# KiCad board protoboard-6x4-breakout.kicad_pcb (continued)
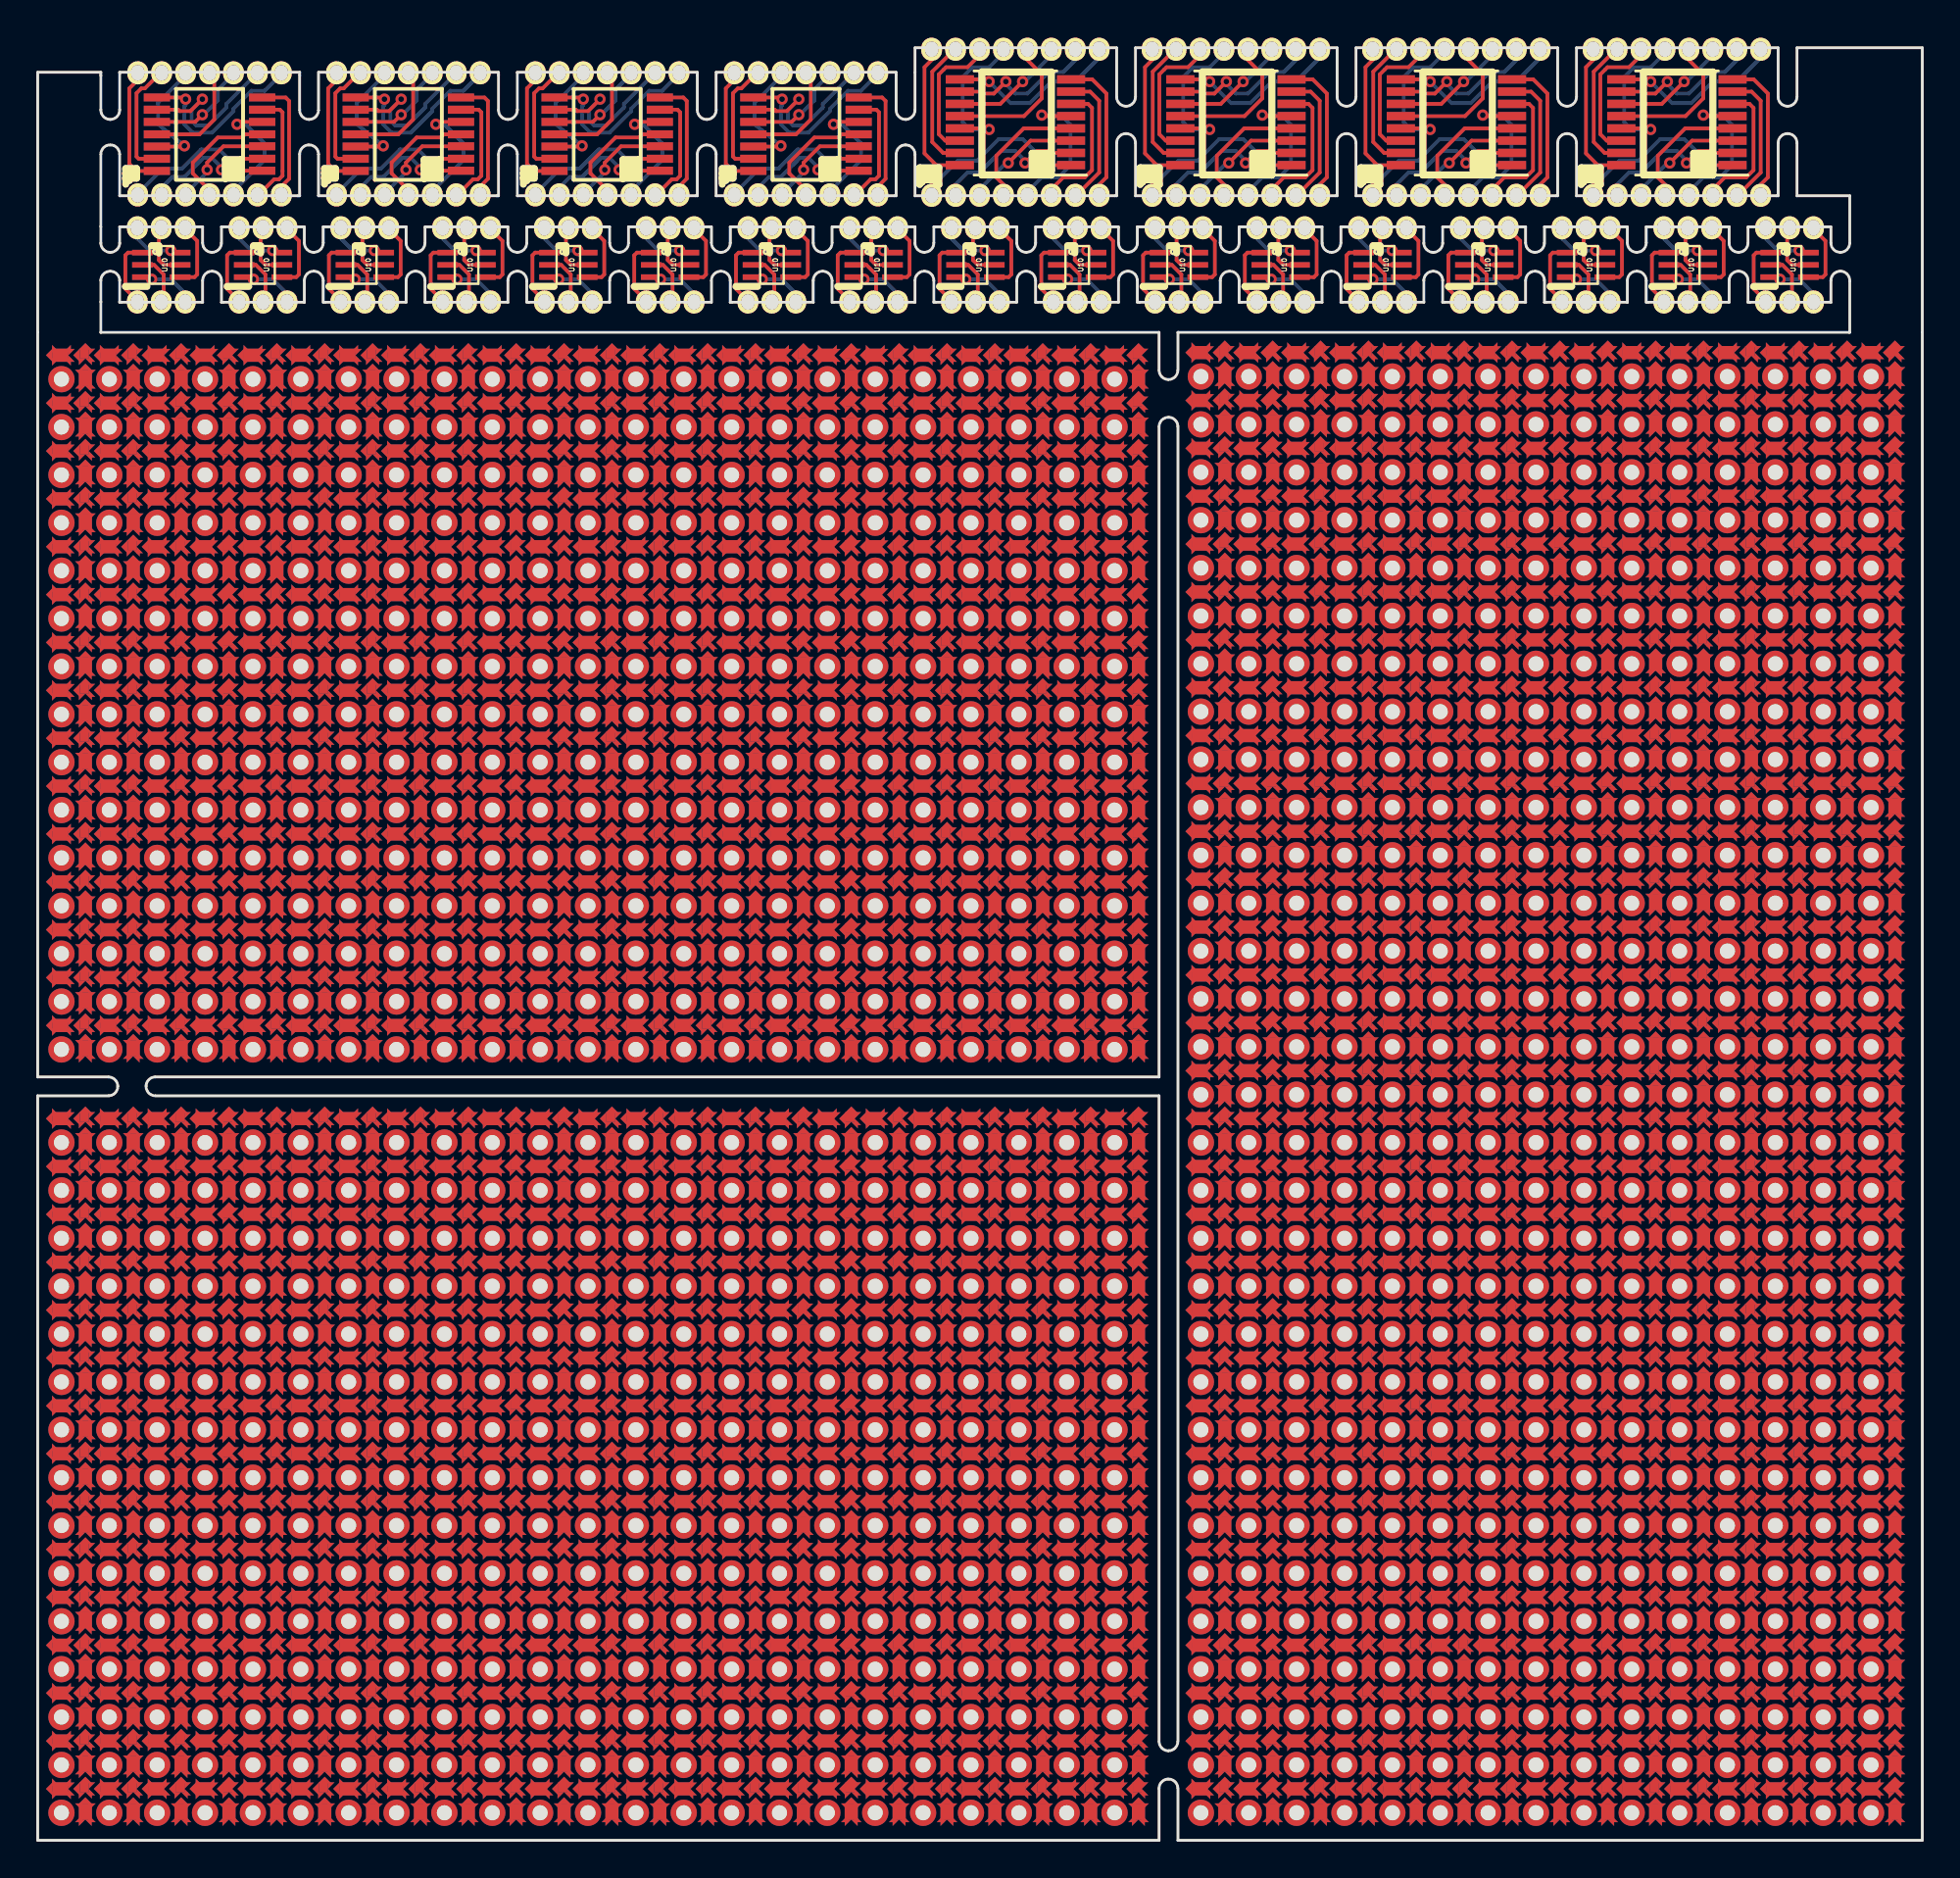
[diagram p0: board, top side]
1; REF**#1508 1; REF**#1509 1; REF**#1510 1; REF**#1511 1; REF**#1512 1; REF**#1513 1; REF**#1514 1; REF**#1515 1; REF**#1516 1; REF**#1517 1; REF**#1518 1; REF**#1519 1; REF**#1520 1; REF**#1521 1; REF**#1522 1; REF**#1523 1; REF**#1524 1; REF**#1525 1; REF**#1526 1; REF**#1527 1; REF**#1528 1; REF**#1529 1; REF**#1530 1; REF**#1531 1; REF**#1532 1; REF**#1533 1; REF**#1534 1; REF**#1535 1; REF**#1536 1; REF**#1537 1; REF**#1538 1; REF**#1539 1; REF**#1540 1; REF**#1541 1; REF**#1542 1; REF**#1543 1; REF**#1544 1; REF**#1545 1; REF**#1546 1; REF**#1547 1; REF**#1548 1; REF**#1549 1; REF**#1550 1; REF**#1551 1; REF**#1552 1; REF**#1553 1; REF**#1554 1; REF**#1555 1; REF**#1556 1; REF**#1557 1; REF**#1558 1; REF**#1559 1; REF**#1560 1; REF**#1561 1; REF**#1562 1; REF**#1563 1; REF**#1564 1; REF**#1565 1; REF**#1566 1; REF**#1567 1; REF**#1568 1; REF**#1569 1; REF**#1570 1; REF**#1571 1; REF**#1572 1; REF**#1573 1; REF**#1574 1; REF**#1575 1; REF**#1576 1; REF**#1577 1; REF**#1578 1; REF**#1579 1; REF**#1580 1; REF**#1581 1; REF**#1582 1; REF**#1583 1; REF**#1584 1; REF**#1585 1; REF**#1586 1; REF**#1587 1; REF**#1588 1; REF**#1589 1; REF**#1590 1; REF**#1591 1; REF**#1592 1; REF**#1593 1; REF**#1594 1; REF**#1595 1; REF**#1596 1; REF**#1597 1; REF**#1598 1; REF**#1599 1; REF**#1600 1; REF**#1601 1; REF**#1602 1; REF**#1603 1; REF**#1604 1; REF**#1605 1; REF**#1606 1; REF**#1607 1; REF**#1608 1; REF**#1609 1; REF**#1610 1; REF**#1611 1; REF**#1612 1; REF**#1613 1; REF**#1614 1; REF**#1615 1; REF**#1616 1; REF**#1617 1; REF**#1618 1; REF**#1619 1; REF**#1620 1; REF**#1621 1; REF**#1622 1; REF**#1623 1; REF**#1624 1; REF**#1625 1; REF**#1626 1; REF**#1627 1; REF**#1628 1; REF**#1629 1; REF**#1630 1; REF**#1631 1; REF**#1632 1; REF**#1633 1; REF**#1634 1; REF**#1635 1; REF**#1636 1; REF**#1637 1; REF**#1638 1; REF**#1639 1; REF**#1640 1; REF**#1641 1; REF**#1642 1; REF**#1643 1; REF**#1644 1; REF**#1645 1; REF**#1646 1; REF**#1647 1; REF**#1648 1; REF**#1649 1; REF**#1650 1; REF**#1651 1; REF**#1652 1; REF**#1653 1; REF**#1654 1; REF**#1655 1; REF**#1656 1; REF**#1657 1; REF**#1658 1; REF**#1659 1; REF**#1660 1; REF**#1661 1; REF**#1662 1; REF**#1663 1; REF**#1664 1; REF**#1665 1; REF**#1666 1; REF**#1667 1; REF**#1668 1; REF**#1669 1; REF**#1670 1; REF**#1671 1; REF**#1672 1; REF**#1673 1; REF**#1674 1; REF**#1675 1; REF**#1676 1; REF**#1677 1; REF**#1678 1; REF**#1679 1; REF**#1680 1; REF**#1681 1; REF**#1682 1; REF**#1683 1; REF**#1684 1; REF**#1685 1; REF**#1686 1; REF**#1687 1; REF**#1688 1; REF**#1689 1; REF**#1690 1; REF**#1691 1; REF**#1692 1; REF**#1693 1; REF**#1694 1; REF**#1695 1; REF**#1696 1; REF**#1697 1; REF**#1698 1; REF**#1699 1; REF**#1700 1; REF**#1701 1; REF**#1702 1; REF**#1703 1; REF**#1704 1; REF**#1705 1; REF**#1706 1; REF**#1707 1; REF**#1708 1; REF**#1709 1; REF**#1710 1; REF**#1711 1; REF**#1712 1; REF**#1713 1; REF**#1714 1; REF**#1715 1; REF**#1716 1; REF**#1717 1; REF**#1718 1; REF**#1719 1; REF**#1720 1; REF**#1721 1; REF**#1722 1; REF**#1723 1; REF**#1724 1; REF**#1725 1; REF**#1726 1; REF**#1727 1; REF**#1728 1; REF**#1729 1; REF**#1730 1; REF**#1731 1; REF**#1732 1; REF**#1733 1; REF**#1734 1; REF**#1735 1; REF**#1736 1; REF**#1737 1; REF**#1738 1; REF**#1739 1; REF**#1740 1; REF**#1741 1; REF**#1742 1; REF**#1743 1; REF**#1744 1; REF**#1745 1; REF**#1746 1; REF**#1747 1; REF**#1748 1; REF**#1749 1; REF**#1750 1; REF**#1751 1; REF**#1752 1; REF**#1753 1; REF**#1754 1; REF**#1755 1; REF**#1756 1; REF**#1757 1; REF**#1758 1; REF**#1759 1; REF**#1760 1; REF**#1761 1; REF**#1762 1; REF**#1763 1; REF**#1764 1; REF**#1765 1; REF**#1766 1; REF**#1767 1; REF**#1768 1; REF**#1769 1; REF**#1770 1; REF**#1771 1; REF**#1772 1; REF**#1773 1; REF**#1774 1; REF**#1775 1; REF**#1776 1; REF**#1777 1; REF**#1778 1; REF**#1779 1; REF**#1780 1; REF**#1781 1; REF**#1782 1; REF**#1783 1; REF**#1784 1; REF**#1785 1; REF**#1786 1; REF**#1787 1; REF**#1788 1; REF**#1789 1; REF**#1790 1; REF**#1791 1; REF**#1792 1; REF**#1793 1; REF**#1794 1; REF**#1795 1; REF**#1796 1; REF**#1797 1; REF**#1798 1; REF**#1799 1; REF**#1800 1; REF**#1801 1; REF**#1802 1; REF**#1803 1; REF**#1804 1; REF**#1805 1; REF**#1806 1; REF**#1807 1; REF**#1808 1; REF**#1809 1; REF**#1810 1; REF**#1811 1; REF**#1812 1; REF**#1813 1; REF**#1814 1; REF**#1815 1; REF**#1816 1; REF**#1817 1; REF**#1818 1; REF**#1819 1; REF**#1820 1; REF**#1821 1; REF**#1822 1; REF**#1823 1; REF**#1824 1; REF**#1825 1; REF**#1826 1; REF**#1827 1; REF**#1828 1; REF**#1829 1; REF**#1830 1; REF**#1831 1; REF**#1832 1; REF**#1833 1; REF**#1834 1; REF**#1835 1; REF**#1836 1; REF**#1837 1; REF**#1838 1; REF**#1839 1; REF**#1840 1; REF**#1841 1; REF**#1842 1; REF**#1843 1; REF**#1844 1; REF**#1845 1; REF**#1846 1; REF**#1847 1; REF**#1848 1; REF**#1849 1; REF**#1850 1; REF**#1851 1; REF**#1852 1; REF**#1853 1; REF**#1854 1; REF**#1855 1; REF**#1856 1; REF**#1857 1; REF**#1858 1; REF**#1859 1; REF**#1860 1; REF**#1861 1; REF**#1862 1; REF**#1863 1; REF**#1864 1; REF**#1865 1; REF**#1866 1; REF**#1867 1; REF**#1868 1; REF**#1869 1; REF**#1870 1; REF**#1871 1; REF**#1872 1; REF**#1873 1; REF**#1874 1; REF**#1875 1; REF**#1876 1; REF**#1877 1; REF**#1878 1; REF**#1879 1; REF**#1880 1; REF**#1881 1; REF**#1882 1; REF**#1883 1; REF**#1884 1; REF**#1885 1; REF**#1886 1; REF**#1887 1; REF**#1888 1; REF**#1889 1; REF**#1890 1; REF**#1891 1; REF**#1892 1; REF**#1893 1; REF**#1894 1; REF**#1895 1; REF**#1896 1; REF**#1897 1; REF**#1898 1; REF**#1899 1; REF**#1900 1; REF**#1901 1; REF**#1902 1; REF**#1903 1; REF**#1904 1; REF**#1905 1; REF**#1906 1; REF**#1907 1; REF**#1908 1; REF**#1909 1; REF**#1910 1; REF**#1911 1; REF**#1912 1; REF**#1913 1; REF**#1914 1; REF**#1915 1; REF**#1916 1; REF**#1917 1; REF**#1918 1; REF**#1919 1; REF**#1920 1; REF**#1921 1; REF**#1922 1; REF**#1923 1; REF**#1924 1; REF**#1925 1; REF**#1926 1; REF**#1927 1; REF**#1928 1; REF**#1929 1; REF**#1930 1; REF**#1931 1; REF**#1932 1; REF**#1933 1; REF**#1934 1; REF**#1935 1; REF**#1936 1; REF**#1937 1; REF**#1938 1; REF**#1939 1; REF**#1940 1; REF**#1941 1; REF**#1942 1; REF**#1943 1; REF**#1944 1; REF**#1945 1; REF**#1946 1; REF**#1947 1; REF**#1948 1; REF**#1949 1; REF**#1950 1; REF**#1951 1; REF**#1952 1; REF**#1953 1; REF**#1954 1; REF**#1955 1; REF**#1956 1; REF**#1957 1; REF**#1958 1; REF**#1959 1; REF**#1960 1; REF**#1961 1; REF**#1962 1; REF**#1963 1; REF**#1964 1; REF**#1965 1; REF**#1966 1; REF**#1967 1; REF**#1968 1; REF**#1969 1; REF**#1970 1; REF**#1971 1; REF**#1972 1; REF**#1973 1; REF**#1974 1; REF**#1975 1; REF**#1976 1; REF**#1977 1; REF**#1978 1; REF**#1979 1; REF**#1980 1; REF**#1981 1; REF**#1982 1; REF**#1983 1; REF**#1984 1; REF**#1985 1; REF**#1986 1; REF**#1987 1; REF**#1988 1; REF**#1989 1; REF**#1990 1; REF**#1991 1; REF**#1992 1; REF**#1993 1; REF**#1994 1; REF**#1995 1; REF**#1996 1; REF**#1997 1; REF**#1998 1; REF**#1999 1; REF**#2000 1; REF**#2001 1; REF**#2002 1; REF**#2003 1; REF**#2004 1; REF**#2005 1; REF**#2006 1; REF**#2007 1; REF**#2008 1; REF**#2009 1; REF**#2010 1; REF**#2011 1; REF**#2012 1; REF**#2013 1; REF**#2014 1; REF**#2015 1; REF**#2016 1; REF**#2017 1; REF**#2018 1; REF**#2019 1; REF**#2020 1; REF**#2021 1; REF**#2022 1; REF**#2023 1; REF**#2024 1; REF**#2025 1; REF**#2026 1; REF**#2027 1; REF**#2028 1; REF**#2029 1; REF**#2030 1; REF**#2031 1; REF**#2032 1; REF**#2033 1; REF**#2034 1; REF**#2035 1; REF**#2036 1; REF**#2037 1; REF**#2038 1; REF**#2039 1; REF**#2040 1; REF**#2041 1; REF**#2042 1; REF**#2043 1; REF**#2044 1; REF**#2045 1; REF**#2046 1; REF**#2047 1; REF**#2048 1; REF**#2049 1; REF**#2050 1; REF**#2051 1; REF**#2052 1; REF**#2053 1; REF**#2054 1; REF**#2055 1; REF**#2056 1; REF**#2057 1; REF**#2058 1; REF**#2059 1; REF**#2060 1; REF**#2061 1; REF**#2062 1; REF**#2063 1; REF**#2064 1; REF**#2065 1; REF**#2066 1; REF**#2067 1; REF**#2068 1; REF**#2069 1; REF**#2070 1; REF**#2071 1; REF**#2072 1; REF**#2073 1; REF**#2074 1; REF**#2075 1; REF**#2076 1; REF**#2077 1; REF**#2078 1; REF**#2079 1; REF**#2080 1; REF**#2081 1; REF**#2082 1; REF**#2083 1; REF**#2084 1; REF**#2085 1; REF**#2086 1; REF**#2087 1; REF**#2088 1; REF**#2089 1; REF**#2090 1; REF**#2091 1; REF**#2092 1; REF**#2093 1; REF**#2094 1; REF**#2095 1; REF**#2096 1; REF**#2097 1; REF**#2098 1; REF**#2099 1; REF**#2100 1; REF**#2101 1; REF**#2102 1; REF**#2103 1; REF**#2104 1; REF**#2105 1; REF**#2106 1; REF**#2107 1; REF**#2108 1; REF**#2109 1; REF**#2110 1; REF**#2111 1; REF**#2112 1; REF**#2113 1; REF**#2114 1; REF**#2115 1; REF**#2116 1; REF**#2117 1; REF**#2118 1; REF**#2119 1; REF**#2120 1; REF**#2121 1; REF**#2122 1; REF**#2123 1; REF**#2124 1; REF**#2125 1; REF**#2126 1; REF**#2127 1; REF**#2128 1; REF**#2129 1; REF**#2130 1; REF**#2131 1; REF**#2132 1; REF**#2133 1; REF**#2134 1; REF**#2135 1; REF**#2136 1; REF**#2137 1; REF**#2138 1; REF**#2139 1; REF**#2140 1; REF**#2141 1; REF**#2142 1; REF**#2143 1; REF**#2144 1; REF**#2145 1; REF**#2146 1; REF**#2147 1; REF**#2148 1; REF**#2149 1; REF**#2150 1; REF**#2151 1; REF**#2152 1; REF**#2153 1; REF**#2154 1; REF**#2155 1; REF**#2156 1; REF**#2157 1; REF**#2158 1; REF**#2159 1; REF**#2160 1; REF**#2161 1; REF**#2162 1; REF**#2163 1; REF**#2164 1; REF**#2165 1; REF**#2166 1; REF**#2167 1; REF**#2168 1; REF**#2169 1; REF**#2170 1; REF**#2171 1; REF**#2172 1; REF**#2173 1; REF**#2174 1; REF**#2175 1; REF**#2176 1; REF**#2177 1; REF**#2178 1; REF**#2179 1; REF**#2180 1; REF**#2181 1; REF**#2182 1; REF**#2183 1; REF**#2184 1; REF**#2185 1; REF**#2186 1; REF**#2187 1; REF**#2188 1; REF**#2189 1; REF**#2190 1; REF**#2191 1; REF**#2192 1; REF**#2193 1; REF**#2194 1; REF**#2195 1; REF**#2196 1; REF**#2197 1; REF**#2198 1; REF**#2199 1; REF**#2200 1; REF**#2201 1; REF**#2202 1; REF**#2203 1; REF**#2204 1; REF**#2205 1; REF**#2206 1; REF**#2207 1; REF**#2208 1; REF**#2209 1; REF**#2210 1; REF**#2211 1; REF**#2212 1; REF**#2213 1; REF**#2214 1; REF**#2215 1; REF**#2216 1; REF**#2217 1; REF**#2218 1; REF**#2219 1; REF**#2220 1; REF**#2221 1; REF**#2222 1; REF**#2223 1; REF**#2224 1; REF**#2225 1; REF**#2226 1; REF**#2227 1; REF**#2228 1; REF**#2229 1; REF**#2230 1; REF**#2231 1; REF**#2232 1; REF**#2233 1; REF**#2234 1; REF**#2235 1; REF**#2236 1; REF**#2237 1; REF**#2238 1; REF**#2239 1; REF**#2240 1; REF**#2241 1; REF**#2242 1; REF**#2243 1; REF**#2244 1; REF**#2245 1; REF**#2246 1; REF**#2247 1; REF**#2248 1; REF**#2249 1; REF**#2250 1; REF**#2251 1; REF**#2252 1; REF**#2253 1; REF**#2254 1; REF**#2255 1; REF**#2256 1; REF**#2257 1; REF**#2258 1; REF**#2259 1; REF**#2260 1; REF**#2261 1; REF**#2262 1; REF**#2263 1; REF**#2264 1; REF**#2265 1; REF**#2266 1; REF**#2267 1; REF**#2268 1; REF**#2269 1; REF**#2270 1; REF**#2271 1; REF**#2272 1; REF**#2273 1; REF**#2274 1; REF**#2275 1; REF**#2276 1; REF**#2277 1; REF**#2278 1; REF**#2279 1; REF**#2280 1; REF**#2281 1; REF**#2282 1; REF**#2283 1; REF**#2284 1; REF**#2285 1; REF**#2286 1; REF**#2287 1; REF**#2288 1; REF**#2289 1; REF**#2290 1; REF**#2291 1; REF**#2292 1; REF**#2293 1; REF**#2294 1; REF**#2295 1; REF**#2296 1; REF**#2297 1; REF**#2298 1; REF**#2299 1; REF**#2300 1; REF**#2301 1; REF**#2302 1; REF**#2303 1; REF**#2304 1; REF**#2305 1; REF**#2306 1; REF**#2307 1; REF**#2308 1; REF**#2309 1; REF**#2310 1; REF**#2311 1; REF**#2312 1; REF**#2313 1; REF**#2314 1; REF**#2315 1; REF**#2316 1; REF**#2317 1; REF**#2318 1; REF**#2319 1; REF**#2320 1; REF**#2321 1; REF**#2322 1; REF**#2323 1; REF**#2324 1; REF**#2325 1; REF**#2326 1; REF**#2327 1; REF**#2328 1; REF**#2329 1; REF**#2330 1; REF**#2331 1; REF**#2332 1; REF**#2333 1; REF**#2334 1; REF**#2335 1; REF**#2336 1; REF**#2337 1; REF**#2338 1; REF**#2339 1; REF**#2340 1; REF**#2341 1; REF**#2342 1; REF**#2343 1; REF**#2344 1; REF**#2345 1; REF**#2346 1; REF**#2347 1; REF**#2348 1; REF**#2349 1; REF**#2350 1; REF**#2351 1; REF**#2352 1; REF**#2353 1; REF**#2354 1; REF**#2355 1; REF**#2356 1; REF**#2357 1; REF**#2358 1; REF**#2359 1; REF**#2360 1; REF**#2361 1; REF**#2362 1; REF**#2363 1; REF**#2364 1; REF**#2365 1; REF**#2366 1; REF**#2367 1; REF**#2368 1; REF**#2369 1; REF**#2370 1; REF**#2371 1; REF**#2372 1; REF**#2373 1; REF**#2374 1; REF**#2375 1; REF**#2376 1; REF**#2377 1; REF**#2378 1; REF**#2379 1; REF**#2380 1; REF**#2381 1; REF**#2382 1; REF**#2383 1; REF**#2384 1; REF**#2385 1; REF**#2386 1; REF**#2387 1; REF**#2388 1; REF**#2389 1; REF**#2390 1; REF**#2391 1; REF**#2392 1; REF**#2393 1; REF**#2394 1; REF**#2395 1; REF**#2396 1; REF**#2397 1; REF**#2398 1; REF**#2399 1; REF**#2400 1; REF**#2401 1; REF**#2402 1; REF**#2403 1; REF**#2404 1; REF**#2405 1; REF**#2406 1; REF**#2407 1; REF**#2408 1; REF**#2409 1; REF**#2410 1; REF**#2411 1; REF**#2412 1; REF**#2413 1; REF**#2414 1; REF**#2415 1; REF**#2416 1; REF**#2417 1; REF**#2418 1; REF**#2419 1; REF**#2420 1; REF**#2421 1; REF**#2422 1; REF**#2423 1; REF**#2424 1; REF**#2425 1; REF**#2426 1; REF**#2427 1; REF**#2428 1; REF**#2429 1; REF**#2430 1; REF**#2431 1; REF**#2432 1; REF**#2433 1; REF**#2434 1; REF**#2435 1; REF**#2436 1; REF**#2437 1; REF**#2438 1; REF**#2439 1; REF**#2440 1; REF**#2441 1; REF**#2442 1; REF**#2443 1; REF**#2444 1; REF**#2445 1; REF**#2446 1; REF**#2447 1; REF**#2448 1; REF**#2449 1; REF**#2450 1; REF**#2451 1; REF**#2452 1; REF**#2453 1; REF**#2454 1; REF**#2455 1; REF**#2456 1; REF**#2457 1; REF**#2458 1; REF**#2459 1; REF**#2460 1; REF**#2461 1; REF**#2462 1; REF**#2463 1; REF**#2464 1; REF**#2465 1; REF**#2466 1; REF**#2467 1; REF**#2468 1; REF**#2469 1; REF**#2470 1; REF**#2471 1; REF**#2472 1; REF**#2473 1; REF**#2474 1; REF**#2475 1; REF**#2476 1; REF**#2477 1; REF**#2478 1; REF**#2479 1; REF**#2480 1; REF**#2481 1; REF**#2482 1; REF**#2483 1; REF**#2484 1; REF**#2485 1; REF**#2486 1; REF**#2487 1; REF**#2488 1; REF**#2489 1; REF**#2490 1; REF**#2491 1; REF**#2492 1; REF**#2493 1; REF**#2494 1; REF**#2495 1; REF**#2496 1; REF**#2497 1; REF**#2498 1; REF**#2499 1; REF**#2500 1; REF**#2501 1; REF**#2502 1; REF**#2503 1; REF**#2504 1; REF**#2505 1; REF**#2506 1; REF**#2507 1; REF**#2508 1; REF**#2509 1; REF**#2510 1; REF**#2511 1; REF**#2512 1; REF**#2513 1; REF**#2514 1; REF**#2515 1; REF**#2516 1; REF**#2517 1; REF**#2518 1; REF**#2519 1; REF**#2520 1; REF**#2521 1; REF**#2522 1; REF**#2523 1; REF**#2524 1; REF**#2525 1; REF**#2526 1; REF**#2527 1; REF**#2528 1; REF**#2529 1; REF**#2530 1; REF**#2531 1; REF**#2532 1; REF**#2533 1; REF**#2534 1; REF**#2535 1; REF**#2536 1; REF**#2537 1; REF**#2538 1; REF**#2539 1; REF**#2540 1; REF**#2541 1; REF**#2542 1; REF**#2543 1; REF**#2544 1; REF**#2545 1; REF**#2546 1; REF**#2547 1; REF**#2548 1; REF**#2549 1; REF**#2550 1; REF**#2551 1; REF**#2552 1; REF**#2553 1; REF**#2554 1; REF**#2555 1; REF**#2556 1; REF**#2557 1; REF**#2558 1; REF**#2559 1; REF**#2560 1; REF**#2561 1; REF**#2562 1; REF**#2563 1; REF**#2564 1; REF**#2565 1; REF**#2566 1; REF**#2567 1; REF**#2568 1; REF**#2569 1; REF**#2570 1; REF**#2571 1; REF**#2572 1; REF**#2573 1; REF**#2574 1; REF**#2575 1; REF**#2576 1; REF**#2577 1; REF**#2578 1; REF**#2579 1; REF**#2580 1; REF**#2581 1; REF**#2582 1; REF**#2583 1; REF**#2584 1; REF**#2585 1; REF**#2586 1; REF**#2587 1; REF**#2588 1; REF**#2589 1; REF**#2590 1; REF**#2591 1; REF**#2592 1; REF**#2593 1; REF**#2594 1; REF**#2595 1; REF**#2596 1; REF**#2597 1; REF**#2598 1; REF**#2599 1; REF**#2600 1; REF**#2601 1; REF**#2602 1; REF**#2603 1; REF**#2604 1; REF**#2605 1; REF**#2606 1; REF**#2607 1; REF**#2608 1; REF**#2609 1; REF**#2610 1; REF**#2611 1; REF**#2612 1; REF**#2613 1; REF**#2614 1; REF**#2615 1; REF**#2616 1; REF**#2617 1; REF**#2618 1; REF**#2619 1; REF**#2620 1; REF**#2621 1; REF**#2622 1; REF**#2623 1; REF**#2624 1; REF**#2625 1; REF**#2626 1; REF**#2627 1; REF**#2628 1; REF**#2629 1; REF**#2630 1; REF**#2631 1; REF**#2632 1; REF**#2633 1; REF**#2634 1; REF**#2635 1; REF**#2636 1; REF**#2637 1; REF**#2638 1; REF**#2639 1; REF**#2640 1; REF**#2641 1; REF**#2642 1; REF**#2643 1; REF**#2644 1; REF**#2645 1; REF**#2646 1; REF**#2647 1; REF**#2648 1; REF**#2649 1; REF**#2650 1; REF**#2651 1; REF**#2652 1; REF**#2653 1; REF**#2654 1; REF**#2655 1; REF**#2656 1; REF**#2657 1; REF**#2658 1; REF**#2659 1; REF**#2660 1; REF**#2661 1; REF**#2662 1; REF**#2663 1; REF**#2664 1; REF**#2665 1; REF**#2666 1; REF**#2667 1; REF**#2668 1; REF**#2669 1; REF**#2670 1; REF**#2671 1; REF**#2672 1; REF**#2673 1; REF**#2674 1; REF**#2675 1; REF**#2676 1; REF**#2677 1; REF**#2678 1; REF**#2679 1; REF**#2680 1; REF**#2681 1; REF**#2682 1; REF**#2683 1; REF**#2684 1; REF**#2685 1; REF**#2686 1; REF**#2687 1; REF**#2688 1; REF**#2689 1; REF**#2690 1; REF**#2691 1; REF**#2692 1; REF**#2693 1; REF**#2694 1; REF**#2695 1; REF**#2696 1; REF**#2697 1; REF**#2698 1; REF**#2699 1; REF**#2700 1; REF**#2701 1; REF**#2702 1; REF**#2703 1; REF**#2704 1; REF**#2705 1; REF**#2706 1; REF**#2707 1; REF**#2708 1; REF**#2709 1; REF**#2710 1; REF**#2711 1; REF**#2712 1; REF**#2713 1; REF**#2714 1; REF**#2715 1; REF**#2716 1; REF**#2717 1; REF**#2718 1; REF**#2719 1; REF**#2720 1; REF**#2721 1; REF**#2722 1; REF**#2723 1; REF**#2724 1; REF**#2725 1; REF**#2726 1; REF**#2727 1; REF**#2728 1; REF**#2729 1; REF**#2730 1; REF**#2731 1; REF**#2732 1; REF**#2733 1; REF**#2734 1; REF**#2735 1; REF**#2736 1; REF**#2737 1; REF**#2738 1; REF**#2739 1; REF**#2740 1; REF**#2741 1; REF**#2742 1; REF**#2743 1; REF**#2744 1; REF**#2745 1; REF**#2746 1; REF**#2747 1; REF**#2748 1; REF**#2749 1; REF**#2750 1; REF**#2751 1; REF**#2752 1; REF**#2753 1; REF**#2754 1; REF**#2755 1; REF**#2756 1; REF**#2757 1; REF**#2758 1; REF**#2759 1; REF**#2760 1; REF**#2761 1; REF**#2762 1; REF**#2763 1; REF**#2764 1; REF**#2765 1; REF**#2766 1; REF**#2767 1; REF**#2768 1; REF**#2769 1; REF**#2770 1; REF**#2771 1; REF**#2772 1; REF**#2773 1; REF**#2774 1; REF**#2775 1; REF**#2776 1; REF**#2777 1; REF**#2778 1; REF**#2779 1; REF**#2780 1; REF**#2781 1; REF**#2782 1; REF**#2783 1; REF**#2784 1; REF**#2785 1; REF**#2786 1; REF**#2787 1; REF**#2788 1; REF**#2789 1; REF**#2790 1; REF**#2791 1; REF**#2792 1; REF**#2793 1; REF**#2794 1; REF**#2795 1; REF**#2796 1; REF**#2797 1; REF**#2798 1; REF**#2799 1; REF**#2800 1; REF**#2801 1; REF**#2802 1; REF**#2803 1; REF**#2804 1; REF**#2805 1; REF**#2806 1; REF**#2807 1; REF**#2808 1; REF**#2809 1; REF**#2810 1; REF**#2811 1; REF**#2812 1; REF**#2813 1; REF**#2814 1; REF**#2815 1; REF**#2816 1; REF**#2817 1; REF**#2818 1; REF**#2819 1; REF**#2820 1; REF**#2821 1; REF**#2822 1; REF**#2823 1; REF**#2824 1; REF**#2825 1; REF**#2826 1; REF**#2827 1; REF**#2828 1; REF**#2829 1; REF**#2830 1; REF**#2831 1; REF**#2832 1; REF**#2833 1; REF**#2834 1; REF**#2835 1; REF**#2836 1; REF**#2837 1; REF**#2838 1; REF**#2839 1; REF**#2840 1; REF**#2841 1; REF**#2842 1; REF**#2843 1; REF**#2844 1; REF**#2845 1; REF**#2846 1; REF**#2847 1; REF**#2848 1; REF**#2849 1; REF**#2850 1; REF**#2851 1; REF**#2852 1; REF**#2853 1; REF**#2854 1; REF**#2855 1; REF**#2856 1; REF**#2857 1; REF**#2858 1; REF**#2859 1; REF**#2860 1; REF**#2861 1; REF**#2862 1; REF**#2863 1; REF**#2864 1; REF**#2865 1; REF**#2866 1; REF**#2867 1; REF**#2868 1; REF**#2869 1; REF**#2870 1; REF**#2871 1; REF**#2872 1; REF**#2873 1; REF**#2874 1; REF**#2875 1; REF**#2876 1; REF**#2877 1; REF**#2878 1; REF**#2879 1; REF**#2880 1; REF**#2881 1; REF**#2882 1; REF**#2883 1; REF**#2884 1; REF**#2885 1; REF**#2886 1; REF**#2887 1; REF**#2888 1; REF**#2889 1; REF**#2890 1; REF**#2891 1; REF**#2892 1; REF**#2893 1; REF**#2894 1; REF**#2895 1; REF**#2896 1; REF**#2897 1; REF**#2898 1; REF**#2899 1; REF**#2900 1; REF**#2901 1; REF**#2902 1; REF**#2903 1; REF**#2904 1; REF**#2905 1; REF**#2906 1; REF**#2907 1; REF**#2908 1; REF**#2909 1; REF**#2910 1; REF**#2911 1; REF**#2912 1; REF**#2913 1; REF**#2914 1; REF**#2915 1; REF**#2916 1; REF**#2917 1; REF**#2918 1; REF**#2919 1; REF**#2920 1; REF**#2921 1; REF**#2922 1; REF**#2923 1; REF**#2924 1; REF**#2925 1; REF**#2926 1; REF**#2927 1; REF**#2928 1; REF**#2929 1; REF**#2930 1; REF**#2931 1; REF**#2932 1; REF**#2933 1; REF**#2934 1; REF**#2935 1;